# Altium PCB NG2093.PcbDoc (part 5 of 8)
Units mm, origin at the board's own origin, x right, y up, seen from the top; angles counter-clockwise.
Board outline 125 x 63 mm, 6 copper layers (Top Copper, Signal Layer 1, Signal Layer 2, Signal Layer 3, Signal Layer 4, Bottom Copper), stack 1.579 mm thick; 379 components, 295 nets, 1557 pads, 1142 vias.
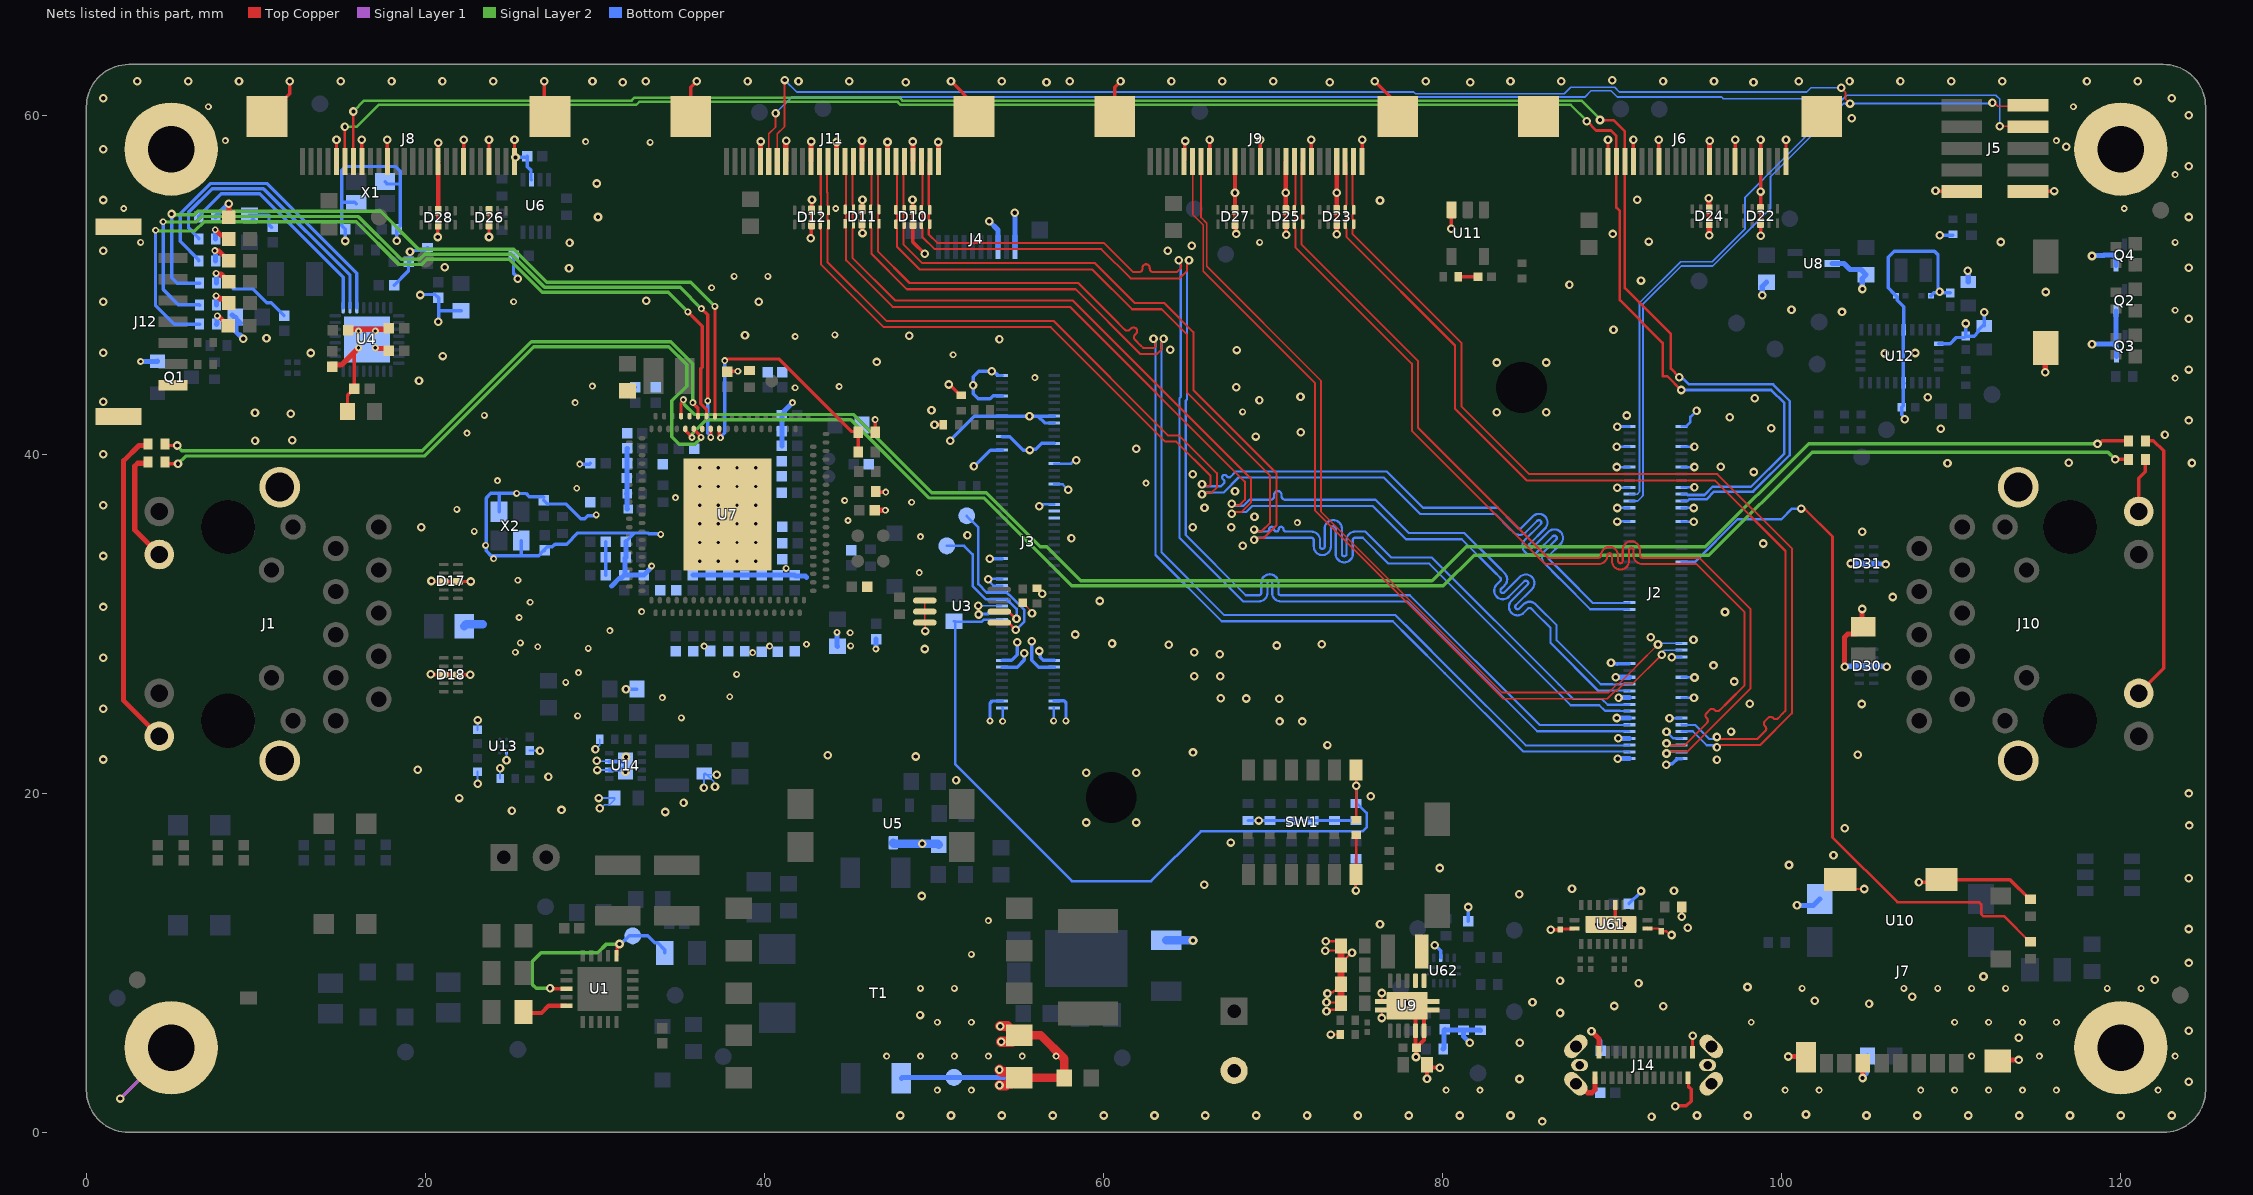
[diagram p9: the nets of this part, all layers, seen from the top]

## Via types
v1: diameter 0.508, hole 0.254, Top Copper to Bottom Copper, tented both sides, 835 vias
v2: diameter 0.406, hole 0.203, Top Copper to Bottom Copper, tented both sides, 150 vias
v3: diameter 0.406, hole 0.2, Top Copper to Bottom Copper, tented both sides, 76 vias
v4: diameter 0.254/0/0.254 (per signal layer), hole 0.102, Top Copper to Signal Layer 2, tented both sides, 51 vias
v5: diameter 0.5, hole 0.2, Top Copper to Bottom Copper, tented both sides, 24 vias
v6: diameter 0.406/0.406/0/0.406/0.406/0.406 (per signal layer), hole 0.2, Top Copper to Bottom Copper, tented both sides, 6 vias

## Nets (pads, with @x,y where several pads share a name; then routed paths per layer and width w, separated by ;. In a path a pad name is that pad's centre, name@x,y a point inside that pad or via, vN(x,y) a via of type N, cw(c..) or ccw(c..) an arc to the next point about the centre after c; other vN are vias at no path point) (continued)
GND: B1.1 C6.1 C7.2 C9.1 C18.1 C19.1 C20.2 C21.1 C25.2 C27.2 C28.2 C29.2 C30.2 C32.1 C34.1 C36.1 C37.1 C38.1 C39.1 C40.1 C41.1 C42.1 C43.1 C44.1 C45.1 C46.1 C47.1 C48.1 C49.1 C50.1 C52.1 C53.1 C55.1 C56.2 C57.2 C58.1 C59.1 C60.1 C61.1 C62.1 C63.1 C64.1 C65.1 C66.1 C67.1 C68.1 C69.1 C70.1 C71.1 C72.1 C73.1 C74.1 C75.1 C76.1 C77.1 C78.1 C79.1 C80.1 C81.1 C82.1 C83.1 C84.1 C85.1 C86.1 C87.1 C88.1 C89.1 C90.1 C91.1 C92.1 C93.1 C94.2 C95.1 C96.1 C97.1 C98.1 C99.1 C100.1 C101.1 C102.1 C103.1 C104.1 C105.1 C106.1 C107.1 C108.1 C109.1 C110.1 C111.1 C112.1 C113.1 C114.1 C115.1 C116.1 C117.1 C118.1 C119.1 C120.1 C121.1 C122.1 C123.1 C124.1 C125.1 C126.1 C127.1 C128.2 C129.1 C130.1 C131.1 C132.1 C133.1 C207.1 D10.3 D10.8 D11.3 D11.8 D12.3 D12.8 D17.3 D17.8 D18.3 D18.8 D22.3 D22.8 D23.3 D23.8 D24.3 D24.8 D25.3 D25.8 D26.3 D26.8 D27.3 D27.8 D28.3 D28.8 D30.3 D30.8 D31.3 D31.8 J1.19 J1.20 J2.1 J2.2 J2.7 J2.8 J2.13 J2.14 J2.19 J2.20 J2.25 J2.26 J2.30 J2.31 J2.71 J2.72 J2.75 J2.76 J2.81 J2.82 J2.87 J2.88 J2.93 J2.94 J2.99 J2.100 J3.1 J3.2 J3.3 J3.4 J3.13 J3.14 J3.15 J3.16 J3.30 J3.32 J3.38 J3.40 J3.46 J3.61 J3.67 J3.73 J3.78 J3.79 J3.82 J3.85 J3.87 J3.88 J3.94 J3.100 J4.8 J4.10 J5.9 J5.10 J6.1 J6.4 J6.7 J6.10 J6.16 J6.19 J6.22 J6.MP1 J6.MP2 J7.6 J7.11 J7.12 J7.13 J7.14 J8.1 J8.4 J8.7 J8.10 J8.16 J8.19 J8.22 J8.MP1 J8.MP2 J9.1 J9.4 J9.7 J9.10 J9.13 J9.16 J9.19 J9.22 J9.MP1 J9.MP2 J10.19 J10.20 J11.1 J11.4 J11.7 J11.10 J11.13 J11.16 J11.19 J11.22 J11.MP1 J11.MP2 J12.7 J12.MH1 J12.MH2 J14.A1 J14.A12 J14.B1 J14.B12 J14.SH1 J14.SH2 J14.SH3 J14.SH4 J14.SH5 J14.SH6 MH1.1 MH2.1 MP1.1 MP2.1 MP3.1 MP4.1 Q1.2 Q2.2 Q3.2 Q4.2 R15.1 R19.2 R20.2 R21.2 R22.2 R23.2 R26.1 R30.2 R31.2 R32.2 R40.1 R42.1 R44.1 R45.1 R48.1 R62.1 R63.2 R65.1 R67.1 R69.1 R75.1 R78.1 R92.2 R93.2 R183.1 R185.2 T1.9 T1.10 TP9.1 U3.2 U3.3 U3.4 U4.33 U5.3 U6.2 U7.TP U8.2 U9.4 U9.5 U9.11 U10.2 U11.3 U12.2 U12.10 U12.25 U13.C1 U14.2 U14.3 U14.9 U61.5 U61.11 U61.20 U61.21 U62.10 X1.2 X1.4 X2.2 X2.4 | length 406.7
  Top Copper w0.102: U3.2@49.45,31.375 U3.3@49.45,30.725 U3.4@49.45,30.075 49.475,30.05 v1(49.475,29.575) ; C64.1@55.225,31.25 55.773,30.702 v1(55.773,30.62) ; R44.1@56.075,32.1 56.092,32.1 56.384,31.807 v1(56.384,31.779) ; v1(73.4,5.775) R69.1@73.95,5.775 ; v1(76.4,6.75) U9.11@76.4,7.225 ; U9.11@76.4,7.725 v1(76.4,8.225) ; U9.11@77.9,7.425 U9.11@77.9,7.475 v1(77.9,7.631)
  Top Copper w0.127: v1(73.075,10.725) 73.725,10.725 C56.2@74,11 73.725,11.275 v1(73.1,11.275) ; v1(73.15,7.15) 73.253,7.15 73.342,7.238 73.713,7.238 74,7.525 C57.2@74,7.625 73.95,7.675 v1(73.15,7.675) ; v1(73.2,8.2) 73.273,8.273 73.523,8.273 73.613,8.363 73.713,8.363 74,8.65 C30.2@74,8.75 ; C29.2@74,9.875 74,9.975 74.625,10.6 v1(74.65,10.6) ; U61.20@92.075,12.025 92.765,12.025 92.9,11.89 C19.1@92.9,11.87 93.199,11.87 93.419,11.65 v1(93.5,11.65) ; v1(94.1,12.725) R185.2@94.1,13.3 ; J7.12@103.453,14.913 104.004,14.361 v1(104.865,14.361)
  Top Copper w0.2: J8.MP2@10.65,59.925 12,61.275 v1(12,62) ; J8.22@14.75,57.275 v1(14.75,58.55) ; C39.1@15.4,42.525 15.4,43.473 C41.1@15.801,43.874 15.801,45.97 ; J8.19@16.25,57.275 v1(16.25,58.55) ; J8.16@17.75,57.275 v1(17.75,58.55) ; v1@20.293,27.006 20.299,27 D18.3@21.083,27 D18.8@21.917,27 v1(22.639,27) ; v1@20.33,32.506 20.335,32.5 D17.3@21.083,32.5 D17.8@21.917,32.5 v1(22.675,32.5) ; v1(20.721,52.819) D28.3@20.721,54.094 ; J8.10@20.75,57.103 J8.10@20.75,57.275 v1(20.75,58.378) ; J8.7@22.25,57.275 v1(22.25,58.55) ; v1(23.75,52.817) D26.8@23.75,53.54 D26.3@23.75,54.375 D26.3@23.75,54.438 ; J8.4@23.75,57.275 v1(23.75,58.55) ; J8.1@25.25,57.275 v1(25.25,58.55) ; J8.1@25.306,57.518 J8.1@25.382,57.595 ; v1(27,62) 27,60.275 J8.MP1@27.35,59.925 ; J11.MP2@35.65,59.925 35.65,61.65 v1(36,62) ; C98.1@37.8,44.875 37.825,44.9 v2(38.425,44.9) ; v1(42.725,52.75) 42.75,52.775 42.75,53.533 D12.8@42.775,53.558 D12.3@42.775,54.392 42.788,54.405 42.788,55.012 v1(42.8,55.025) ; v1(45.775,53.05) 45.763,53.062 45.763,53.595 D11.8@45.75,53.608 D11.3@45.75,54.442 45.763,54.455 45.763,55.012 v1(45.775,55.025) ; R92.2@46.524,41.303 v2(46.525,42.05) ; R93.2@46.55,38 R93.2@46.55,37.8 46.575,37.775 v2(47.15,37.775) ; v1(48.725,55.025) 48.737,55.012 48.737,54.43 D10.3@48.75,54.418 D10.8@48.75,53.583 48.75,52.525 v1(49.45,51.825) ; v1(50.025,41.75) R30.2@50.55,41.75 ; v1@50.904,44.121 51.55,43.475 R26.1@51.6,43.475 ; v1(51,62) 52.35,60.65 J11.MP1@52.35,59.925 ; J9.MP2@60.65,59.925 60.65,61.65 v1(61,62) ; J9.22@64.75,57.275 64.784,57.309 64.784,58.444 v1(64.819,58.479) ; v1@65.316,26.929 v1(65.337,26.907) ; J9.19@66.25,57.275 v1(66.25,58.55) ; v1@66.892,25.617 v1(66.9,25.609) ; J9.13@69.25,57.275 v1(69.25,58.55) ; v1@70.376,24.243 v1(70.379,24.246) ; J9.7@72.25,57.275 v1(72.25,58.55) ; J9.1@75.25,57.275 v1(75.25,58.55) ; v1(76,62) 77.35,60.65 J9.MP1@77.35,59.925 ; v1(80.5,53.3) 80.514,53.314 80.514,54.411 U11.3@80.527,54.425 ; R78.1@80.925,50.475 C65.1@82.075,50.475 ; v1(86.375,11.95) 86.385,11.96 86.915,11.96 C18.1@86.925,11.97 86.955,12 87.75,12 U61.11@87.775,12.025 ; J6.22@89.75,57.275 v1(89.75,58.55) ; v1(89.925,12.275) 90.175,12.525 U61.5@90.175,13.425 ; J6.19@91.25,57.275 v1(91.25,58.55) ; U61.20@92.075,12.025 U61.20@92.1,12.05 ; J6.16@92.75,57.275 v1(92.75,58.55) ; v1(93.724,1.542) 93.753,1.571 94.378,1.571 94.657,1.85 94.657,2.543 94.5,2.7 94.5,3.195 J14.A1@94.475,3.22 ; J14.B12@94.725,4.73 94.734,4.739 94.734,5.691 v1(94.742,5.699) ; J6.7@97.25,57.275 v1(97.25,58.55) ; v1(98.75,58.55) J6.4@98.75,57.275 v1(98.75,55.5) D22.8@98.75,53.64 98.755,53.635 98.755,52.903 v1(98.76,52.898) ; J6.1@100.25,57.275 v1(100.25,58.55) ; v1(108.092,14.756) 109.266,14.756 J7.11@109.423,14.913 113.463,14.913 114.626,13.75 R67.1@114.676,13.75 ; v1@108.978,55.54 v1(109.069,55.54) 109.16,55.54 109.19,55.51 J5.9@110.625,55.51 ; J5.10@114.525,55.51 114.544,55.529 v1(116.08,55.529)
  Top Copper w0.25: U9.11@78.085,7.475 78.9,6.66 U9.5@78.9,6 78.9,5.45 C27.2@78.45,5 ; U9.11@78.4,6.975 U9.4@78.4,6 78.4,5.05 C27.2@78.45,5 ; v1(78.426,4.453) 78.438,4.465 78.438,4.988 C27.2@78.45,5 ; v1(79.075,3.175) C28.2@79.075,4 79.25,3.825 v1(79.825,3.825)
  Top Copper w0.254: D28.8@20.75,53.534 J8.10@20.75,57.103 ; J9.16@67.75,57.275 v1(67.75,55.428) D27.3@67.75,54.418 D27.8@67.75,53.583 67.787,53.545 67.787,53.038 v1(67.825,53) ; J9.10@70.75,57.275 v1(70.75,55.429) D25.8@70.75,53.583 70.762,53.57 70.762,52.963 v1(70.775,52.95) ; v1(73.75,52.975) D23.8@73.75,53.583 v1(73.75,55.429) J9.4@73.75,57.275
  Top Copper w0.3: C47.1@14.392,45.273 C47.1@14.496,45.169 14.6,45.273 15.048,45.273 v2(16.05,46.275) ; C44.1@15.438,47.306 15.509,47.377 17.768,47.377 C42.1@17.839,47.448 ; v2(17.05,46.275) 17.07,46.255 17.706,46.255 C43.1@17.839,46.121 ; J11.22@39.75,57.275 39.75,58.425 v1(39.775,58.45) ; J11.19@41.25,57.275 41.25,58.475 v1(41.275,58.5) ; J11.16@42.75,57.275 v1(42.75,58.45) ; J11.13@44.25,57.275 v1(44.25,58.425) ; J11.10@45.75,57.275 v1(45.75,58.5) ; C116.1@46.5,36.7 v2(47.125,36.7) ; J11.7@47.25,57.275 v1(47.25,58.425) ; J11.4@48.75,57.275 v1(48.75,58.45) ; J11.1@50.25,57.275 v1(50.25,58.425) ; J14.SH2@87.855,2.875 88.017,2.875 88.552,2.341 88.799,2.341 88.975,2.517 J14.A12@88.975,3.22 ; v1(88.778,5.976) 89.225,5.529 J14.B1@89.225,4.73 ; v1(95.7,55.1) 95.712,55.087 95.712,54.48 D24.3@95.725,54.468 D24.8@95.725,53.633 v1(95.725,52.925) ; J6.10@95.75,57.275 v1(95.75,58.5) ; v1(100.375,4.484) 101.381,4.484 J7.13@101.428,4.437 ; v1@101.428,1.06 v1(101.429,1.06) ; v1(103.719,27.469) 103.709,27.48 103.709,29.232 103.885,29.408 104.379,29.408 C113.1@104.8,29.829 ; C113.1@104.743,29.886 v1(104.743,30.876) ; v1(104.767,3.212) 104.777,3.223 104.777,4.077 J7.6@104.788,4.088 ; J7.14@112.748,4.213 112.814,4.279 v1(113.971,4.279) ; v1(115.542,44.842) 115.542,46.242 B1.1@115.575,46.275
  Top Copper w0.4: C57.2@74,7.625 C30.2@74,8.65 ; C30.2@74,8.75 C29.2@74,9.875 ; C29.2@74,9.975 C56.2@74,11
  Top Copper w0.5: T1.10@55.023,3.225 C9.1@57.675,3.225 57.675,4.35 56.3,5.725 T1.9@55.023,5.725
  Top Copper w0.6: v1(53.854,3.703) 53.997,3.56 54.58,3.56 54.915,3.225 54.58,2.89 54.363,2.89 54.241,2.768 53.882,2.768 v1(53.859,2.792) ; v1(53.899,6.273) 54.335,6.273 54.914,5.694 54.914,5.685 54.58,5.351 53.96,5.351 v1(53.954,5.357)
  Signal Layer 1 w0.2: v1(2,2) MP2.1@5,5
  Signal Layer 2 w0.2: v1(2,2) MP2.1@5,5
  Bottom Copper w0.102: v1(30.025,22.6) 30.275,22.85 R42.1@30.275,23.2 ; v1(30.1,21.925) 30.125,21.9 30.825,21.9 U14.3@30.85,21.875 ; v1(30.125,21.375) U14.2@30.85,21.375 ; v1(30.225,19.725) C32.1@31.15,19.725 31.15,19.625 30.851,19.326 30.563,19.326 30.362,19.125 v1(30.275,19.125) ; U14.9@31.55,21.875 U14.9@31.8,21.625 ; v1(36.425,20.325) 36.425,21.15 C60.1@36.45,21.175 ; v1(37.075,20.4) 36.997,20.478 36.997,20.703 C60.1@36.6,21.1 ; v1(37.175,21.1) C60.1@36.6,21.1 ; v1(52.6,31.075) 52.612,31.063 J3.32@53.998,31.063 ; J3.30@53.971,30.611 53.292,30.611 ; J3.30@54.01,30.65 53.331,30.65 53.292,30.611 ; C60.1@36.45,21.175 36.525,21.175 C60.1@36.6,21.1 ; C60.1@36.45,21.175 36.525,21.1 C60.1@36.6,21.1 ; 53.292,30.611 52.686,30.611 v1(52.625,30.55) 53.231,30.55 53.292,30.611
  Bottom Copper w0.127: v1(23.075,20.575) C20.2@23.075,21.275 ; C58.1@23.075,23.75 v1(23.075,24.325) ; R40.1@24.4,20.875 v1(24.4,21.475) ; v1(24.778,21.953) U13.C1@24.778,22.387 ; C59.1@26.15,22.525 v1(26.75,22.525)
  Bottom Copper w0.15: J3.2@54.01,25.05 54.024,25.05 54.039,25.035 v2(54.039,24.256) ; J3.38@54.01,32.25 53.505,32.25 53.2,32.555 v1(53.2,32.625) 53.225,32.65 J3.40@54.01,32.65 ; v1(56.2,36.934) 56.297,36.934 56.412,37.05 J3.61@57.09,37.05 ; J3.1@57.057,25.05 57.072,25.035 v2@57.072,24.299 ; J3.67@57.09,38.25 57.105,38.235 57.575,38.235 57.906,37.903 v1(57.92,37.903) ; J3.73@57.09,39.45 58.076,39.45 58.286,39.659 v1(58.383,39.659) ; v1(90.258,40.442) J2.94@91.001,40.442 ; v1(90.275,39.25) J2.88@90.993,39.25 ; v1(90.3,41.633) 90.308,41.642 J2.100@91.001,41.642 ; v1@90.308,36.042 J2.72@91.002,36.042 ; v1@90.308,36.842 J2.76@91.002,36.842 ; v1@90.308,38.042 J2.82@91.002,38.042 ; v1(93.2,23.638) 93.207,23.63 93.22,23.63 93.6,23.25 J2.7@94.09,23.25 ; v1@93.388,24.442 J2.13@94.082,24.442 ; v1(93.507,28.033) 93.516,28.041 94.073,28.041 J2.31@94.077,28.046 ; J2.81@94.09,38.05 v1(94.849,38.05) ; J2.87@94.09,39.25 v1(94.849,39.25) ; J2.93@94.09,40.45 v1(94.849,40.45) ; J2.99@94.09,41.65 94.35,41.65 94.612,41.912 94.612,42.207 v1(94.977,42.572) ; J2.25@94.098,26.858 94.115,26.842 94.842,26.842 v1(94.85,26.833) ; J2.71@94.098,36.042 94.105,36.035 94.783,36.035 v1(94.8,36.018) ; J2.75@94.098,36.842 v1@94.792,36.842 ; J2.19@94.107,25.65 v1(94.825,25.65)
  Bottom Copper w0.2: v1(2,2) MP2.1@5,5 ; 8.667,49.75 9.842,49.75 10.642,48.95 10.893,48.95 C34.1@11.657,48.186 ; C36.1@9.615,54.109 10.762,54.109 10.771,54.1 10.771,53.546 C37.1@10.938,53.379 ; v1(15.267,52.583) C48.1@15.267,53.285 15.057,53.495 15.057,54.88 ; X1.4@15.917,54.785 15.821,54.88 15.057,54.88 ; X1.2@17.617,56.085 17.756,55.946 18.518,55.946 ; C45.1@18.15,49.975 18.999,50.824 18.999,51.296 C46.1@19.039,51.336 ; v1(18.3,52.6) 18.3,53.268 C49.1@18.317,53.285 18.518,53.486 18.518,55.946 ; C46.1@19.025,51.35 19.09,51.415 v1(19.09,51.954) ; v1@19.086,51.95 v1(19.09,51.954) ; v1@19.725,49.425 20.575,49.425 C40.1@20.75,49.25 20.775,49.225 20.775,47.942 20.658,47.825 v1@20.65,47.825 ; R48.1@20.125,52.2 19.95,52.025 19.161,52.025 v1(19.09,51.954) ; 20.8,48.472 20.803,48.475 C38.1@22.1,48.475 ; v2(23.545,34.625) 23.574,34.653 v2@23.574,34.701 ; X2.2@24.35,36.62 24.35,37.714 ; C53.1@25.194,51.713 25.194,50.692 25.45,50.436 v1(25.45,50.352) ; v1(25.31,57.513) 25.938,57.513 C52.1@26,57.575 26,56.973 26.224,56.749 26.224,56.226 U6.2@26.25,56.2 ; X2.4@25.65,34.92 25.65,34.052 25.68,34.022 ; C111.1@26.977,34.327 27.193,34.542 27.48,34.542 27.64,34.702 28.325,34.702 28.985,35.362 32.331,35.362 ; C110.1@26.979,37.459 26.945,37.492 26.129,37.492 25.929,37.692 25.383,37.692 v2(25.375,37.7) 25.361,37.714 24.35,37.714 ; C110.1@26.98,37.282 27.19,37.072 28.278,37.072 29.15,36.2 29.394,36.2 29.58,36.386 30.036,36.386 v2(30.075,36.425) ; C111.1@27.003,34.3 26.951,34.3 26.672,34.022 25.68,34.022 ; v3(29.1,39.425) 29.675,39.425 C132.1@29.725,39.475 ; C103.1@30.625,32.875 C89.1@30.625,34.85 ; 31.7,43.925 32.35,43.925 C120.1@32.375,43.95 ; v1(31.825,26.15) C69.1@32.475,26.15 ; C126.1@31.825,34.85 32.19,35.215 32.19,35.22 32.331,35.362 ; v3(33.875,35.275) 33.845,35.305 33.175,35.305 33.119,35.362 33.099,35.362 32.331,35.362 ; v1(50.95,40.8) 50.95,40.825 52.375,42.25 J3.88@54.01,42.25 v1(55.63,42.25) 56.128,42.25 ; v1(52.35,39.3) 52.375,39.3 53.325,40.25 J3.78@54.01,40.25 ; v1(53.275,33.85) J3.46@54.01,33.85 ; v2(53.3,24.281) 53.3,25.333 53.417,25.45 J3.4@54.01,25.45 ; J3.14@54.01,27.45 54.895,27.45 55.312,27.868 v1(55.312,28.275) ; J3.16@54.01,27.85 54.569,27.85 54.9,28.181 v1(54.9,28.912) ; J3.82@54.01,41.05 54.02,41.04 54.466,41.04 55.256,40.25 v1(55.65,40.25) 55.69,40.29 55.993,40.29 56.353,40.65 J3.79@57.09,40.65 ; J3.94@54.009,43.451 53.478,43.451 53.3,43.272 52.603,43.272 52.3,43.575 v1(52.3,44.075) 52.3,44.575 52.622,44.897 53.523,44.897 53.77,44.65 J3.100@54.01,44.65 ; v1(55.763,28.976) 55.763,27.853 56.167,27.45 J3.13@57.09,27.45 ; v1(56.202,28.403) 56.261,28.344 56.261,28.029 56.44,27.85 J3.15@57.09,27.85 ; J3.3@57.072,25.465 57.665,25.465 57.782,25.347 v2@57.782,24.296 ; J3.85@57.09,41.85 56.528,41.85 56.128,42.25 ; J3.87@57.09,42.25 56.128,42.25 ; R23.2@68.525,18.4 R22.2@69.8,18.4 R21.2@71.075,18.4 R20.2@72.35,18.4 R19.2@73.625,18.4 R63.2@74.9,18.4 ; v1(79.531,11.05) 79.555,11.05 79.874,10.73 U62.10@79.874,10.3 ; C76.1@81.5,12.45 v1(81.5,13.3) ; v1(88.778,5.976) 89.329,5.425 C73.1@89.329,4.825 ; v1(89.928,27.704) 89.987,27.645 90.282,27.645 90.3,27.627 90.323,27.65 J2.30@91.01,27.65 ; C74.1@90.988,13.482 91.703,14.197 v1(91.703,14.243) ; v1(93.183,21.694) 93.241,21.753 93.553,21.753 93.85,22.05 J2.1@94.09,22.05 ; U12.10@107.2,44.212 U12.10@107.225,44.187 ; v1(107.256,42.063) 107.256,42.141 107.075,42.323 C94.2@107.075,42.775 107.175,42.875 107.175,47.312 U12.25@107.2,47.337 107.2,48.7 106.811,49.089 106.811,49.297 106.751,49.357 C95.1@106.731,49.357 106.711,49.357 106.651,49.417 106.651,49.437 106.27,49.818 106.27,51.633 106.626,51.989 109.01,51.989 109.215,51.784 109.215,49.529 v1@109.211,49.525 ; C96.1@108.791,49.357 108.811,49.357 108.871,49.417 108.871,49.437 108.973,49.539 108.987,49.525 v1@109.211,49.525 ; U12.2@109.262,46.525 109.926,46.525 110.293,46.891 110.769,46.891 C91.1@110.853,46.975 ; v1@109.3,52.9 109.325,52.925 R62.1@110.075,52.925 ; C93.1@109.938,49.525 v1@109.211,49.525 ; v1@110.825,47.75 110.853,47.722 C91.1@110.853,46.975 ; v1@111.9,48.425 111.95,48.375 C90.1@111.95,47.575 111.85,47.575 111.6,47.325 111.6,47.225 111.35,46.975 C91.1@110.853,46.975 ; 15.057,54.88 15.057,55.119 15.05,55.125 15.05,56.749 15.276,56.975 18.25,56.975 18.518,56.706 18.518,55.946 ; v2@23.574,34.701 23.574,37.426 23.862,37.714 24.35,37.714 ; v2@23.574,34.701 23.585,34.69 23.585,34.3 23.865,34.02 25.679,34.02 25.68,34.022
  Bottom Copper w0.25: U14.2@30.85,21.375 31.55,21.375 U14.9@31.8,21.625 ; U14.3@30.85,21.875 U14.9@31.55,21.875 ; v1(31.8,21.275) U14.9@31.8,21.625 ; v1(31.825,22.15) 31.8,22.125 U14.9@31.8,21.625
  Bottom Copper w0.3: v2(3.2,45.475) 3.212,45.487 4.188,45.487 Q1.2@4.2,45.5 ; C21.1@8.588,48.219 8.606,48.219 C21.1@8.815,48.01 ; C21.1@8.775,48.1 8.815,48.06 C21.1@8.815,48.01 ; 9.075,47.051 9.25,46.876 v1(9.25,46.819) 9.221,46.819 8.815,47.225 C21.1@8.815,48.01 ; C21.1@9.075,47.75 C21.1@8.815,48.01 ; 30.975,32.225 31.465,32.715 31.565,32.715 C83.1@31.725,32.875 ; C126.1@31.825,34.85 C133.1@31.825,33.925 31.775,33.875 31.775,32.925 C83.1@31.725,32.875 ; C128.2@31.9,36.775 31.875,36.8 31.875,37.65 31.85,37.675 31.875,37.7 31.875,40.325 C79.1@31.9,40.35 ; v3(33.338,33.413) 33.318,33.393 33.318,33.318 C124.1@32.875,32.875 C83.1@31.725,32.875 ; C102.1@35.775,32.875 C101.1@36.825,32.875 C104.1@37.85,32.875 R75.1@38.825,32.875 C122.1@39.825,32.875 C97.1@40.775,32.875 C100.1@41.775,32.875 41.825,32.825 42.4,32.825 42.475,32.75 ; C85.1@41.025,40.5 C82.1@41.025,41.375 C115.1@41.025,42.3 41.185,42.46 41.185,42.585 v2(41.65,43.05) ; v2(44.275,29.5) 44.275,28.7 C67.1@44.3,28.675 ; v2(46.572,28.516) 46.575,28.52 C105.1@46.575,29.1 ; C25.2@48.075,3.2 48.125,3.25 TP9.1@51.174,3.25 54.223,3.25 ; v1(53.25,53.75) 53.767,53.233 J4.8@53.767,52.231 ; v1(54.75,54.25) 54.764,54.236 54.764,52.233 J4.10@54.767,52.231 ; R183.1@80.025,4.925 80.075,4.975 80.075,6.025 C61.1@80.125,6.075 80.15,6.05 82.2,6.05 R31.2@82.225,6.025 ; R32.2@81.225,6.025 81.218,6.018 81.218,5.673 81.591,5.3 v1(81.6,5.3) ; v1(90.2,26.85) J2.26@91.01,26.85 ; v1(90.275,24.45) J2.14@91.01,24.45 ; v1(90.325,22.05) J2.2@91.01,22.05 ; v1(90.35,23.25) J2.8@91.01,23.25 ; v1(90.375,25.65) J2.20@91.01,25.65 ; v1(98.85,49.375) 98.85,49.9 C63.1@99.1,50.15 ; v1(100.9,13.4) 101.87,13.4 U10.2@102.24,13.77 ; U8.2@102.975,51.25 103.675,51.25 104.025,50.9 104.675,50.9 C62.1@104.975,50.6 104.75,50.375 v1@104.75,49.75 ; v1(103.719,27.469) 103.75,27.5 D30.3@104.583,27.5 D30.8@105.418,27.5 106.176,27.5 v1(106.2,27.476) ; v1(104.062,33.561) 104.062,33.56 D31.8@105.289,33.56 ; v1(104.767,3.212) 104.767,3.269 105,3.502 105,4.442 C55.1@105.058,4.5 ; D31.8@105.418,33.55 105.439,33.529 106.113,33.529 v1(106.135,33.507) ; v1(110.977,50.83) 111,50.807 C92.1@111,50.175 ; v1(118.3,46.5) 119.569,46.5 119.725,46.344 ; v1(118.3,51.7) 118.34,51.74 118.996,51.74 119.012,51.756 119.549,51.756 119.725,51.58 Q4.2@119.725,51.146 ; Q2.2@119.725,48.459 119.725,46.344 ; Q3.2@119.745,45.771 119.745,46.324 119.725,46.344
  Bottom Copper w0.5: C50.1@22.275,29.849 22.403,29.977 23.388,29.977 23.389,29.979 ; U5.3@47.598,17.1 47.598,17.063 47.623,17.038 v1(49.298,17.038) 50.211,17.038 R15.1@50.273,16.975 ; C6.1@63.7,11.325 v1(65.275,11.325) v1@65.3,11.3
  other v1: 85.872,0.651 92.321,0.933 48,1 51,1 54,1 57,1 60,1 63,1 66,1 69,1 72,1 75,1 78,1 81,1 84,1 95,1 98,1 105,1 108,1 111,1 114,1 117,1 120,1 123,1 124,3 84.532,3.153 84.55,5.3 113.975,5.582 124,6 49.175,6.925 86.923,7.048 90.126,7.461 93.006,7.445 105.15,7.6 85.298,7.685 101.95,7.775 107.7,8 97.977,8.578 91.555,8.799 86.923,8.958 122,9 111.9,9.2 124,10 124,12 94.453,12.077 76.3,12.275 89.125,12.275 90.725,12.275 49.276,13.947 84.525,14.05 93.642,14.26 87.625,14.375 65.938,14.618 124,15 79.825,15.6 100.426,15.778 103.05,16.35 67.5,17.1 103.717,17.936 124.028,18.111 58.983,18.283 61.917,18.283 69.154,18.397 34.15,18.9 25.1,18.975 28.025,19.025 35.225,19.45 22,19.725 75.75,19.825 124,20 51.297,20.769 27.253,20.989 58.983,21.217 61.917,21.217 19.544,21.387 96.175,21.984 1,22 48.925,22.175 43.725,22.25 104.475,22.275 65.275,22.417 73.2,22.85 97.009,23.648 71.721,24.246 93.38,24.433 1,25 98.111,25.284 104.725,25.275 68.421,25.596 70.354,25.587 97.2,26.6 66.874,26.904 20.315,27.028 95.975,27.55 1,28 66.855,28.215 65.35,28.325 49.45,28.519 70.206,28.725 63.85,28.775 72.875,28.8 60.5,28.844 94.797,29.054 92.268,29.212 58.325,29.375 96.65,30.7 1,31 59.775,31.347 106.55,31.585 20.351,32.528 1,34 68.2,34.6 98.901,34.743 58.1,35.05 51.967,35.234 104.741,35.425 19.75,35.7 65.262,35.7 67.525,35.7 90.3,36.033 68.9,36.325 65.95,36.85 90.3,36.833 94.8,36.833 1,37 67.75,37.825 90.3,38.033 65.262,38.825 98.34,38.956 96.402,39.27 109.775,39.475 124.193,39.489 116.925,39.5 1,40 61.925,40.325 9.95,40.8 12.15,40.825 68.973,41.048 122.6,41.15 71.63,41.294 109.375,41.5 99.38,41.547 124,42 96.931,42.183 90.86,42.29 12.05,42.4 9.944,42.444 83.183,42.483 86.117,42.483 49.85,42.598 1,43.1 69.189,43.191 98.408,43.312 108.618,43.369 71.615,43.404 67.825,43.95 50.872,44.121 19.617,44.347 53.399,44.907 124,45 83.183,45.417 86.117,45.417 46.625,45.45 21.022,45.796 106.075,45.95 13.237,45.979 107.875,45.975 1,46 67.85,46.15 63.925,46.175 53.855,46.79 10.625,46.85 48.533,46.999 38.85,47.025 90.075,47.35 110.853,47.718 20.751,47.829 124,48 103.55,48.4 111.938,48.388 100.575,48.525 1,49 39.65,49 33.025,49.05 19.684,49.399 115.575,49.575 109.308,49.584 104.757,49.751 87.475,50 91.7,50.25 28.465,50.977 124,51 21.143,51.041 1,52 63.775,52 65.2,52.3 28.5,52.475 112.925,52.525 92.15,52.55 109.32,52.92 90.025,53 30.175,54 124,54 76.3,54.975 1,55 91.475,55.025 30.1,55.975 124,57 1,58 116.775,58.15 104.125,59.825 124,60 1,61 123,61 31.632,61.947 48.332,61.947 56.632,61.947 73.332,61.947 81.632,61.947 98.332,61.947 3,62 6,62 9,62 15,62 18,62 21,62 24,62 29.85,62.005 33,62 39,62 42,62 45,62 54,62 58,62 64,62 67,62 70,62 79,62 84,62 87,62 93,62 96,62 101,62 104,62 107,62 110,62 113,62 118,62 121,62 90,62.056